# KiCad board rabbit_mask_video_edit.kicad_pcb (continued)
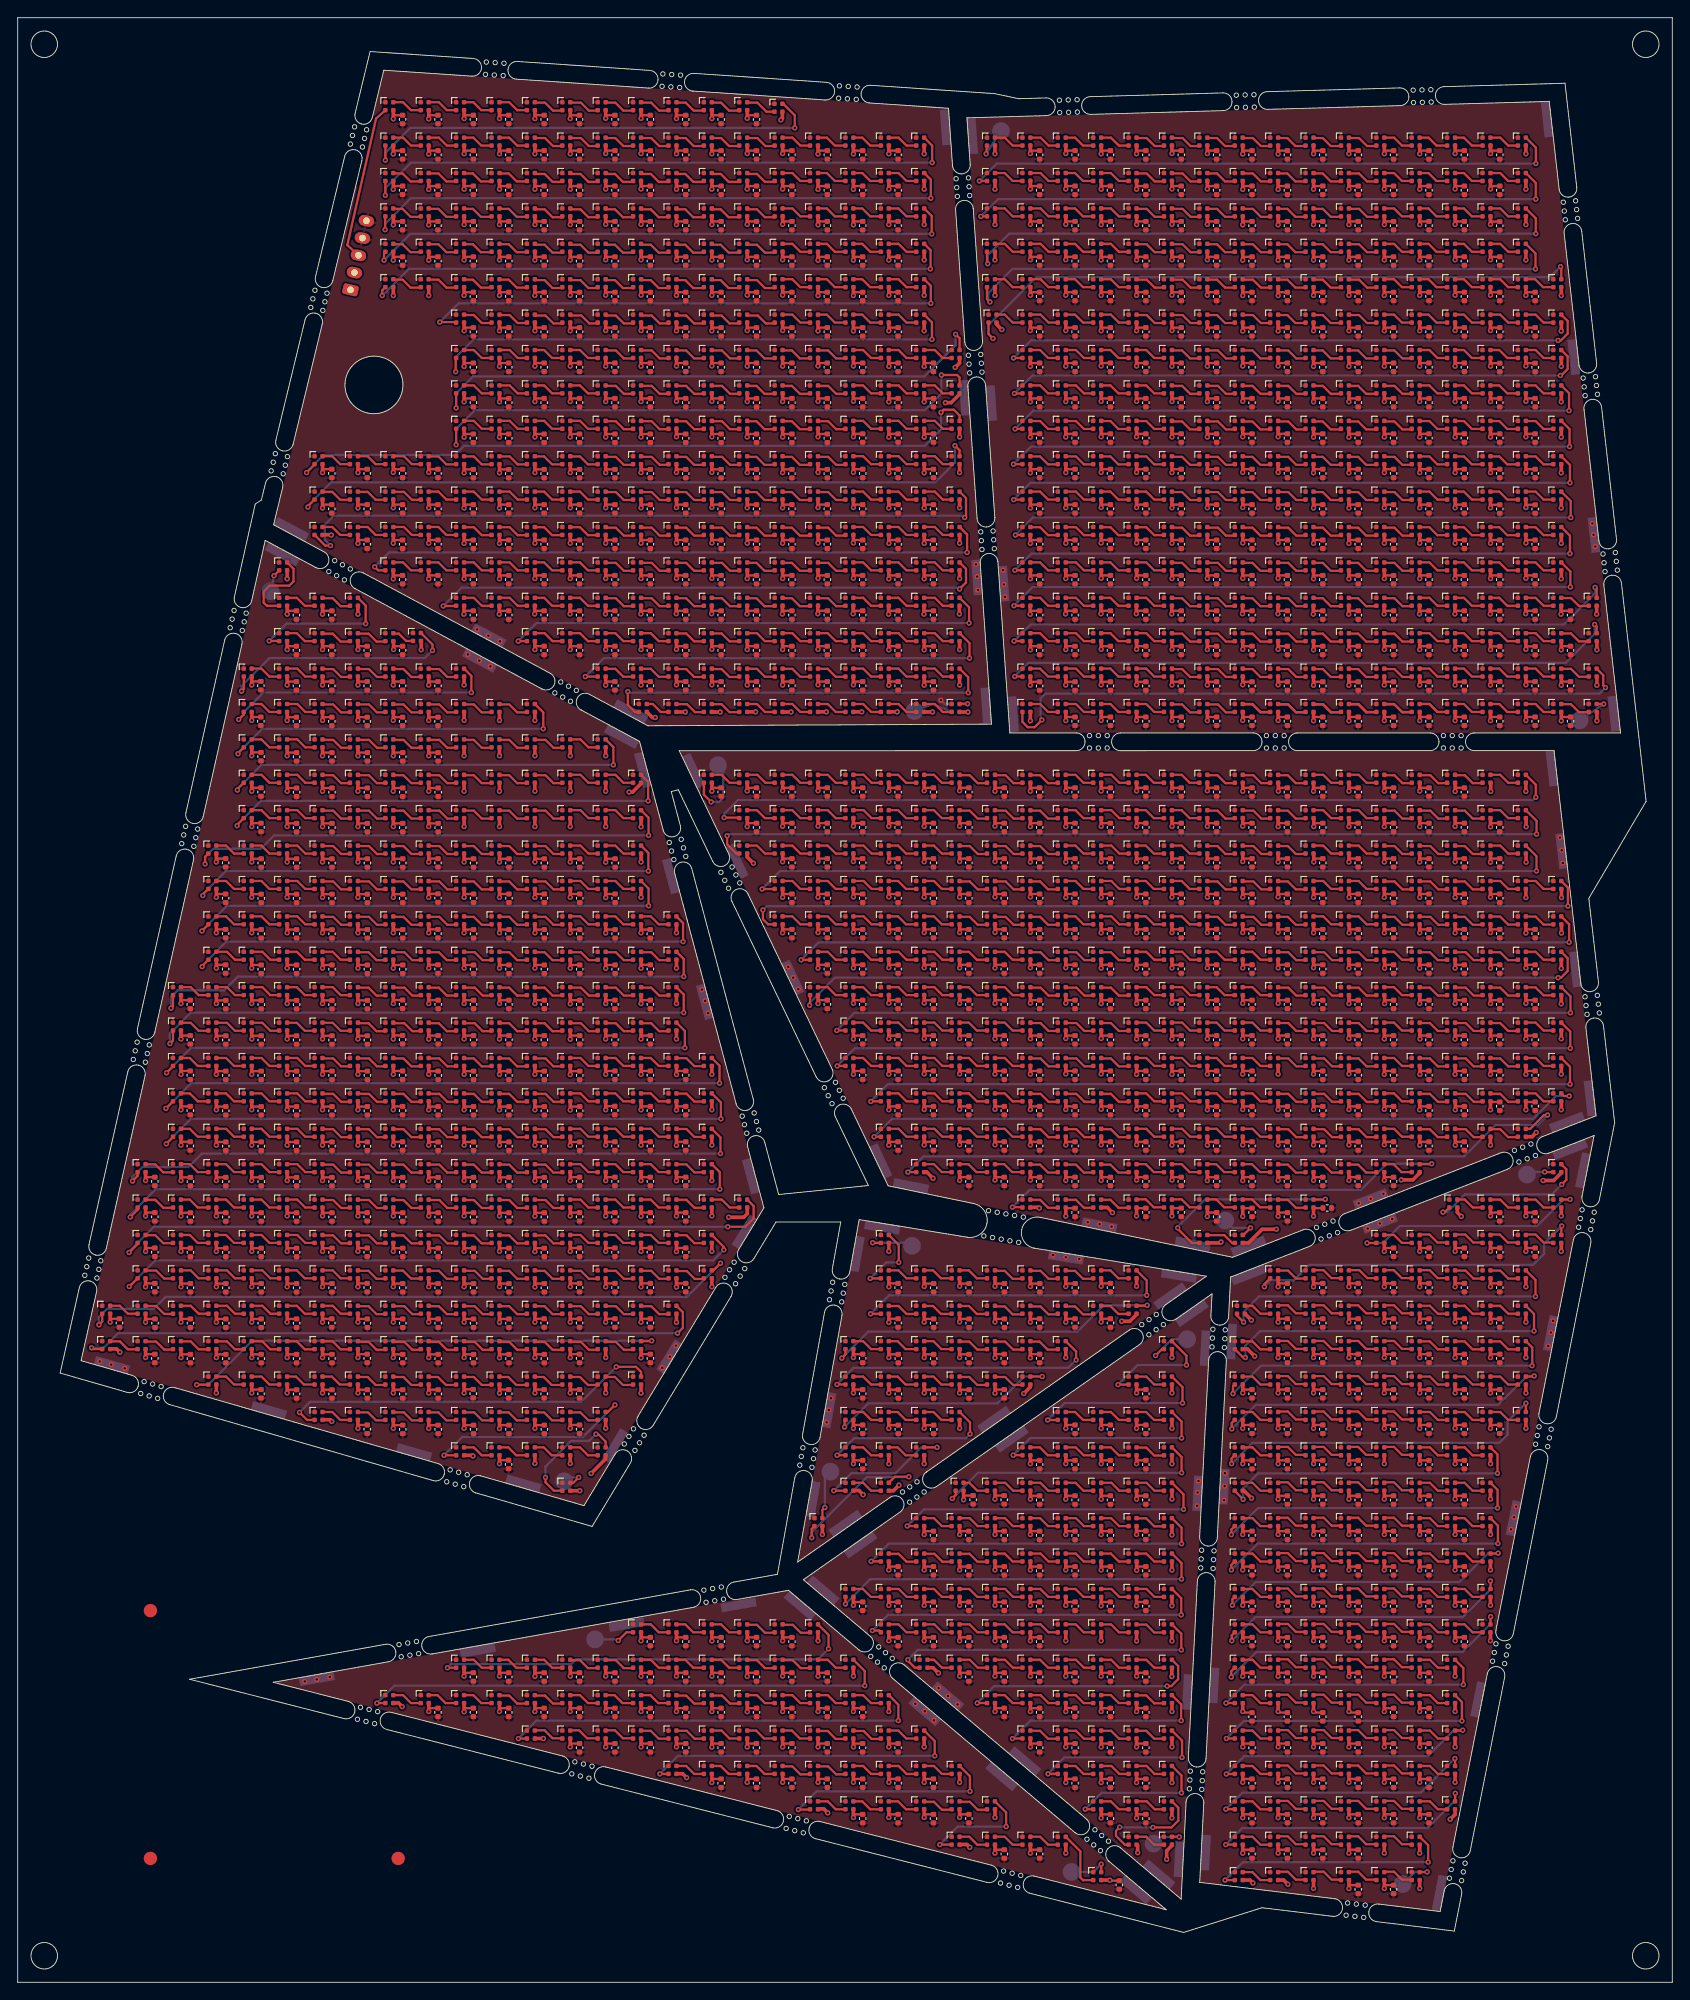
[diagram p0: board, top side]
## Placement (name value [footprint] x y rotation side) (continued)
D406  SK6812-1515  [LED_SK6812_EC15_1.5x1.5mm]  170 164 0 top
D407  SK6812-1515  [LED_SK6812_EC15_1.5x1.5mm]  174 164 0 top
D408  SK6812-1515  [LED_SK6812_EC15_1.5x1.5mm]  30 160 0 top
D409  SK6812-1515  [LED_SK6812_EC15_1.5x1.5mm]  42 160 0 top
D410  SK6812-1515  [LED_SK6812_EC15_1.5x1.5mm]  46 160 0 top
D411  SK6812-1515  [LED_SK6812_EC15_1.5x1.5mm]  50 160 0 top
D412  SK6812-1515  [LED_SK6812_EC15_1.5x1.5mm]  54 160 0 top
D413  SK6812-1515  [LED_SK6812_EC15_1.5x1.5mm]  58 160 0 top
D414  SK6812-1515  [LED_SK6812_EC15_1.5x1.5mm]  62 160 0 top
D415  SK6812-1515  [LED_SK6812_EC15_1.5x1.5mm]  66 160 0 top
D416  SK6812-1515  [LED_SK6812_EC15_1.5x1.5mm]  70 160 0 top
D417  SK6812-1515  [LED_SK6812_EC15_1.5x1.5mm]  74 160 0 top
D418  SK6812-1515  [LED_SK6812_EC15_1.5x1.5mm]  78 160 0 top
D419  SK6812-1515  [LED_SK6812_EC15_1.5x1.5mm]  82 160 0 top
D420  SK6812-1515  [LED_SK6812_EC15_1.5x1.5mm]  86 160 0 top
D421  SK6812-1515  [LED_SK6812_EC15_1.5x1.5mm]  90 160 0 top
D422  SK6812-1515  [LED_SK6812_EC15_1.5x1.5mm]  94 160 0 top
D423  SK6812-1515  [LED_SK6812_EC15_1.5x1.5mm]  98 160 0 top
D424  SK6812-1515  [LED_SK6812_EC15_1.5x1.5mm]  102 160 0 top
D425  SK6812-1515  [LED_SK6812_EC15_1.5x1.5mm]  106 160 0 top
D426  SK6812-1515  [LED_SK6812_EC15_1.5x1.5mm]  114 160 0 top
D427  SK6812-1515  [LED_SK6812_EC15_1.5x1.5mm]  118 160 0 top
D428  SK6812-1515  [LED_SK6812_EC15_1.5x1.5mm]  122 160 0 top
D429  SK6812-1515  [LED_SK6812_EC15_1.5x1.5mm]  126 160 0 top
D430  SK6812-1515  [LED_SK6812_EC15_1.5x1.5mm]  130 160 0 top
D431  SK6812-1515  [LED_SK6812_EC15_1.5x1.5mm]  134 160 0 top
D432  SK6812-1515  [LED_SK6812_EC15_1.5x1.5mm]  138 160 0 top
D433  SK6812-1515  [LED_SK6812_EC15_1.5x1.5mm]  142 160 0 top
D434  SK6812-1515  [LED_SK6812_EC15_1.5x1.5mm]  146 160 0 top
D435  SK6812-1515  [LED_SK6812_EC15_1.5x1.5mm]  150 160 0 top
D436  SK6812-1515  [LED_SK6812_EC15_1.5x1.5mm]  154 160 0 top
D437  SK6812-1515  [LED_SK6812_EC15_1.5x1.5mm]  158 160 0 top
D438  SK6812-1515  [LED_SK6812_EC15_1.5x1.5mm]  162 160 0 top
D439  SK6812-1515  [LED_SK6812_EC15_1.5x1.5mm]  166 160 0 top
D440  SK6812-1515  [LED_SK6812_EC15_1.5x1.5mm]  170 160 0 top
D441  SK6812-1515  [LED_SK6812_EC15_1.5x1.5mm]  174 160 0 top
D442  SK6812-1515  [LED_SK6812_EC15_1.5x1.5mm]  30 156 0 top
D443  SK6812-1515  [LED_SK6812_EC15_1.5x1.5mm]  34 156 0 top
D444  SK6812-1515  [LED_SK6812_EC15_1.5x1.5mm]  38 156 0 top
D445  SK6812-1515  [LED_SK6812_EC15_1.5x1.5mm]  50 156 0 top
D446  SK6812-1515  [LED_SK6812_EC15_1.5x1.5mm]  54 156 0 top
D447  SK6812-1515  [LED_SK6812_EC15_1.5x1.5mm]  58 156 0 top
D448  SK6812-1515  [LED_SK6812_EC15_1.5x1.5mm]  62 156 0 top
D449  SK6812-1515  [LED_SK6812_EC15_1.5x1.5mm]  66 156 0 top
D450  SK6812-1515  [LED_SK6812_EC15_1.5x1.5mm]  70 156 0 top
D451  SK6812-1515  [LED_SK6812_EC15_1.5x1.5mm]  74 156 0 top
D452  SK6812-1515  [LED_SK6812_EC15_1.5x1.5mm]  78 156 0 top
D453  SK6812-1515  [LED_SK6812_EC15_1.5x1.5mm]  82 156 0 top
D454  SK6812-1515  [LED_SK6812_EC15_1.5x1.5mm]  86 156 0 top
D455  SK6812-1515  [LED_SK6812_EC15_1.5x1.5mm]  90 156 0 top
D456  SK6812-1515  [LED_SK6812_EC15_1.5x1.5mm]  94 156 0 top
D457  SK6812-1515  [LED_SK6812_EC15_1.5x1.5mm]  98 156 0 top
D458  SK6812-1515  [LED_SK6812_EC15_1.5x1.5mm]  102 156 0 top
D459  SK6812-1515  [LED_SK6812_EC15_1.5x1.5mm]  106 156 0 top
D460  SK6812-1515  [LED_SK6812_EC15_1.5x1.5mm]  114 156 0 top
D461  SK6812-1515  [LED_SK6812_EC15_1.5x1.5mm]  118 156 0 top
D462  SK6812-1515  [LED_SK6812_EC15_1.5x1.5mm]  122 156 0 top
D463  SK6812-1515  [LED_SK6812_EC15_1.5x1.5mm]  126 156 0 top
D464  SK6812-1515  [LED_SK6812_EC15_1.5x1.5mm]  130 156 0 top
D465  SK6812-1515  [LED_SK6812_EC15_1.5x1.5mm]  134 156 0 top
D466  SK6812-1515  [LED_SK6812_EC15_1.5x1.5mm]  138 156 0 top
D467  SK6812-1515  [LED_SK6812_EC15_1.5x1.5mm]  142 156 0 top
D468  SK6812-1515  [LED_SK6812_EC15_1.5x1.5mm]  146 156 0 top
D469  SK6812-1515  [LED_SK6812_EC15_1.5x1.5mm]  150 156 0 top
D470  SK6812-1515  [LED_SK6812_EC15_1.5x1.5mm]  154 156 0 top
D471  SK6812-1515  [LED_SK6812_EC15_1.5x1.5mm]  158 156 0 top
D472  SK6812-1515  [LED_SK6812_EC15_1.5x1.5mm]  162 156 0 top
D473  SK6812-1515  [LED_SK6812_EC15_1.5x1.5mm]  166 156 0 top
D474  SK6812-1515  [LED_SK6812_EC15_1.5x1.5mm]  170 156 0 top
D475  SK6812-1515  [LED_SK6812_EC15_1.5x1.5mm]  174 156 0 top
D476  SK6812-1515  [LED_SK6812_EC15_1.5x1.5mm]  178 156 0 top
D477  SK6812-1515  [LED_SK6812_EC15_1.5x1.5mm]  30 152 0 top
D478  SK6812-1515  [LED_SK6812_EC15_1.5x1.5mm]  34 152 0 top
D479  SK6812-1515  [LED_SK6812_EC15_1.5x1.5mm]  38 152 0 top
D480  SK6812-1515  [LED_SK6812_EC15_1.5x1.5mm]  42 152 0 top
D481  SK6812-1515  [LED_SK6812_EC15_1.5x1.5mm]  45.12 152.03 0 top
D482  SK6812-1515  [LED_SK6812_EC15_1.5x1.5mm]  58 152 0 top
D483  SK6812-1515  [LED_SK6812_EC15_1.5x1.5mm]  62 152 0 top
D484  SK6812-1515  [LED_SK6812_EC15_1.5x1.5mm]  66 152 0 top
D485  SK6812-1515  [LED_SK6812_EC15_1.5x1.5mm]  70 152 0 top
D486  SK6812-1515  [LED_SK6812_EC15_1.5x1.5mm]  74 152 0 top
D487  SK6812-1515  [LED_SK6812_EC15_1.5x1.5mm]  78 152 0 top
D488  SK6812-1515  [LED_SK6812_EC15_1.5x1.5mm]  82 152 0 top
D489  SK6812-1515  [LED_SK6812_EC15_1.5x1.5mm]  86 152 0 top
D490  SK6812-1515  [LED_SK6812_EC15_1.5x1.5mm]  90 152 0 top
D491  SK6812-1515  [LED_SK6812_EC15_1.5x1.5mm]  94 152 0 top
D492  SK6812-1515  [LED_SK6812_EC15_1.5x1.5mm]  98 152 0 top
D493  SK6812-1515  [LED_SK6812_EC15_1.5x1.5mm]  102 152 0 top
D494  SK6812-1515  [LED_SK6812_EC15_1.5x1.5mm]  106 152 0 top
D495  SK6812-1515  [LED_SK6812_EC15_1.5x1.5mm]  114 152 0 top
D496  SK6812-1515  [LED_SK6812_EC15_1.5x1.5mm]  118 152 0 top
D497  SK6812-1515  [LED_SK6812_EC15_1.5x1.5mm]  122 152 0 top
D498  SK6812-1515  [LED_SK6812_EC15_1.5x1.5mm]  126 152 0 top
D499  SK6812-1515  [LED_SK6812_EC15_1.5x1.5mm]  130 152 0 top
D500  SK6812-1515  [LED_SK6812_EC15_1.5x1.5mm]  134 152 0 top
D501  SK6812-1515  [LED_SK6812_EC15_1.5x1.5mm]  138 152 0 top
D502  SK6812-1515  [LED_SK6812_EC15_1.5x1.5mm]  142 152 0 top
D503  SK6812-1515  [LED_SK6812_EC15_1.5x1.5mm]  146 152 0 top
D504  SK6812-1515  [LED_SK6812_EC15_1.5x1.5mm]  150 152 0 top
D505  SK6812-1515  [LED_SK6812_EC15_1.5x1.5mm]  154 152 0 top
D506  SK6812-1515  [LED_SK6812_EC15_1.5x1.5mm]  158 152 0 top
D507  SK6812-1515  [LED_SK6812_EC15_1.5x1.5mm]  162 152 0 top
D508  SK6812-1515  [LED_SK6812_EC15_1.5x1.5mm]  166 152 0 top
D509  SK6812-1515  [LED_SK6812_EC15_1.5x1.5mm]  170 152 0 top
D510  SK6812-1515  [LED_SK6812_EC15_1.5x1.5mm]  174 152 0 top
D511  SK6812-1515  [LED_SK6812_EC15_1.5x1.5mm]  178 152 0 top
D512  SK6812-1515  [LED_SK6812_EC15_1.5x1.5mm]  26 148 0 top
D513  SK6812-1515  [LED_SK6812_EC15_1.5x1.5mm]  30 148 0 top
D514  SK6812-1515  [LED_SK6812_EC15_1.5x1.5mm]  34 148 0 top
D515  SK6812-1515  [LED_SK6812_EC15_1.5x1.5mm]  38 148 0 top
D516  SK6812-1515  [LED_SK6812_EC15_1.5x1.5mm]  42 148 0 top
D517  SK6812-1515  [LED_SK6812_EC15_1.5x1.5mm]  46 148 0 top
D518  SK6812-1515  [LED_SK6812_EC15_1.5x1.5mm]  50 148 0 top
D519  SK6812-1515  [LED_SK6812_EC15_1.5x1.5mm]  66 148 0 top
D520  SK6812-1515  [LED_SK6812_EC15_1.5x1.5mm]  70 148 0 top
D521  SK6812-1515  [LED_SK6812_EC15_1.5x1.5mm]  74 148 0 top
D522  SK6812-1515  [LED_SK6812_EC15_1.5x1.5mm]  78 148 0 top
D523  SK6812-1515  [LED_SK6812_EC15_1.5x1.5mm]  82 148 0 top
D524  SK6812-1515  [LED_SK6812_EC15_1.5x1.5mm]  86 148 0 top
D525  SK6812-1515  [LED_SK6812_EC15_1.5x1.5mm]  90 148 0 top
D526  SK6812-1515  [LED_SK6812_EC15_1.5x1.5mm]  94 148 0 top
D527  SK6812-1515  [LED_SK6812_EC15_1.5x1.5mm]  98 148 0 top
D528  SK6812-1515  [LED_SK6812_EC15_1.5x1.5mm]  102 148 0 top
D529  SK6812-1515  [LED_SK6812_EC15_1.5x1.5mm]  106 148 0 top
D530  SK6812-1515  [LED_SK6812_EC15_1.5x1.5mm]  114 148 0 top
D531  SK6812-1515  [LED_SK6812_EC15_1.5x1.5mm]  118 148 0 top
D532  SK6812-1515  [LED_SK6812_EC15_1.5x1.5mm]  122 148 0 top
D533  SK6812-1515  [LED_SK6812_EC15_1.5x1.5mm]  126 148 0 top
D534  SK6812-1515  [LED_SK6812_EC15_1.5x1.5mm]  130 148 0 top
D535  SK6812-1515  [LED_SK6812_EC15_1.5x1.5mm]  134 148 0 top
D536  SK6812-1515  [LED_SK6812_EC15_1.5x1.5mm]  138 148 0 top
D537  SK6812-1515  [LED_SK6812_EC15_1.5x1.5mm]  142 148 0 top
D538  SK6812-1515  [LED_SK6812_EC15_1.5x1.5mm]  146 148 0 top
D539  SK6812-1515  [LED_SK6812_EC15_1.5x1.5mm]  150 148 0 top
D540  SK6812-1515  [LED_SK6812_EC15_1.5x1.5mm]  154 148 0 top
D541  SK6812-1515  [LED_SK6812_EC15_1.5x1.5mm]  158 148 0 top
D542  SK6812-1515  [LED_SK6812_EC15_1.5x1.5mm]  162 148 0 top
D543  SK6812-1515  [LED_SK6812_EC15_1.5x1.5mm]  166 148 0 top
D544  SK6812-1515  [LED_SK6812_EC15_1.5x1.5mm]  170 148 0 top
D545  SK6812-1515  [LED_SK6812_EC15_1.5x1.5mm]  174 148 0 top
D546  SK6812-1515  [LED_SK6812_EC15_1.5x1.5mm]  178 148 0 top
D547  SK6812-1515  [LED_SK6812_EC15_1.5x1.5mm]  26 144 0 top
D548  SK6812-1515  [LED_SK6812_EC15_1.5x1.5mm]  30 144 0 top
D549  SK6812-1515  [LED_SK6812_EC15_1.5x1.5mm]  34 144 0 top
D550  SK6812-1515  [LED_SK6812_EC15_1.5x1.5mm]  38 144 0 top
D551  SK6812-1515  [LED_SK6812_EC15_1.5x1.5mm]  42 144 0 top
D552  SK6812-1515  [LED_SK6812_EC15_1.5x1.5mm]  46 144 0 top
D553  SK6812-1515  [LED_SK6812_EC15_1.5x1.5mm]  50 144 0 top
D554  SK6812-1515  [LED_SK6812_EC15_1.5x1.5mm]  54 144 0 top
D555  SK6812-1515  [LED_SK6812_EC15_1.5x1.5mm]  58 144 0 top
D556  SK6812-1515  [LED_SK6812_EC15_1.5x1.5mm]  70.65 144 0 top
D557  SK6812-1515  [LED_SK6812_EC15_1.5x1.5mm]  74 144 0 top
D558  SK6812-1515  [LED_SK6812_EC15_1.5x1.5mm]  78 144 0 top
D559  SK6812-1515  [LED_SK6812_EC15_1.5x1.5mm]  82 144 0 top
D560  SK6812-1515  [LED_SK6812_EC15_1.5x1.5mm]  86 144 0 top
D561  SK6812-1515  [LED_SK6812_EC15_1.5x1.5mm]  90 144 0 top
D562  SK6812-1515  [LED_SK6812_EC15_1.5x1.5mm]  94 144 0 top
D563  SK6812-1515  [LED_SK6812_EC15_1.5x1.5mm]  98 144 0 top
D564  SK6812-1515  [LED_SK6812_EC15_1.5x1.5mm]  102 144 0 top
D565  SK6812-1515  [LED_SK6812_EC15_1.5x1.5mm]  106 144 0 top
D566  SK6812-1515  [LED_SK6812_EC15_1.5x1.5mm]  114 144 0 top
D567  SK6812-1515  [LED_SK6812_EC15_1.5x1.5mm]  118 144 0 top
D568  SK6812-1515  [LED_SK6812_EC15_1.5x1.5mm]  122 144 0 top
D569  SK6812-1515  [LED_SK6812_EC15_1.5x1.5mm]  126 144 0 top
D570  SK6812-1515  [LED_SK6812_EC15_1.5x1.5mm]  130 144 0 top
D571  SK6812-1515  [LED_SK6812_EC15_1.5x1.5mm]  134 144 0 top
D572  SK6812-1515  [LED_SK6812_EC15_1.5x1.5mm]  138 144 0 top
D573  SK6812-1515  [LED_SK6812_EC15_1.5x1.5mm]  142 144 0 top
D574  SK6812-1515  [LED_SK6812_EC15_1.5x1.5mm]  146 144 0 top
D575  SK6812-1515  [LED_SK6812_EC15_1.5x1.5mm]  150 144 0 top
D576  SK6812-1515  [LED_SK6812_EC15_1.5x1.5mm]  154 144 0 top
D577  SK6812-1515  [LED_SK6812_EC15_1.5x1.5mm]  158 144 0 top
D578  SK6812-1515  [LED_SK6812_EC15_1.5x1.5mm]  162 144 0 top
D579  SK6812-1515  [LED_SK6812_EC15_1.5x1.5mm]  166 144 0 top
D580  SK6812-1515  [LED_SK6812_EC15_1.5x1.5mm]  170 144 0 top
D581  SK6812-1515  [LED_SK6812_EC15_1.5x1.5mm]  174 144 0 top
D582  SK6812-1515  [LED_SK6812_EC15_1.5x1.5mm]  178 144 0 top
D583  SK6812-1515  [LED_SK6812_EC15_1.5x1.5mm]  26 140 0 top
D584  SK6812-1515  [LED_SK6812_EC15_1.5x1.5mm]  30 140 0 top
D585  SK6812-1515  [LED_SK6812_EC15_1.5x1.5mm]  34 140 0 top
D586  SK6812-1515  [LED_SK6812_EC15_1.5x1.5mm]  38 140 0 top
D587  SK6812-1515  [LED_SK6812_EC15_1.5x1.5mm]  42 140 0 top
D588  SK6812-1515  [LED_SK6812_EC15_1.5x1.5mm]  46 140 0 top
D589  SK6812-1515  [LED_SK6812_EC15_1.5x1.5mm]  50 140 0 top
D590  SK6812-1515  [LED_SK6812_EC15_1.5x1.5mm]  54 140 0 top
D591  SK6812-1515  [LED_SK6812_EC15_1.5x1.5mm]  58 140 0 top
D592  SK6812-1515  [LED_SK6812_EC15_1.5x1.5mm]  62 140 0 top
D593  SK6812-1515  [LED_SK6812_EC15_1.5x1.5mm]  66 140 0 top
D594  SK6812-1515  [LED_SK6812_EC15_1.5x1.5mm]  26 136 0 top
D595  SK6812-1515  [LED_SK6812_EC15_1.5x1.5mm]  30 136 0 top
D596  SK6812-1515  [LED_SK6812_EC15_1.5x1.5mm]  34 136 0 top
D597  SK6812-1515  [LED_SK6812_EC15_1.5x1.5mm]  38 136 0 top
D598  SK6812-1515  [LED_SK6812_EC15_1.5x1.5mm]  42 136 0 top
D599  SK6812-1515  [LED_SK6812_EC15_1.5x1.5mm]  46 136 0 top
D600  SK6812-1515  [LED_SK6812_EC15_1.5x1.5mm]  50 136 0 top
D601  SK6812-1515  [LED_SK6812_EC15_1.5x1.5mm]  54 136 0 top
D602  SK6812-1515  [LED_SK6812_EC15_1.5x1.5mm]  58 136 0 top
D603  SK6812-1515  [LED_SK6812_EC15_1.5x1.5mm]  62 136 0 top
D604  SK6812-1515  [LED_SK6812_EC15_1.5x1.5mm]  66 136 0 top
D605  SK6812-1515  [LED_SK6812_EC15_1.5x1.5mm]  70 136 0 top
D606  SK6812-1515  [LED_SK6812_EC15_1.5x1.5mm]  78 136 0 top
D607  SK6812-1515  [LED_SK6812_EC15_1.5x1.5mm]  82 136 0 top
D608  SK6812-1515  [LED_SK6812_EC15_1.5x1.5mm]  86 136 0 top
D609  SK6812-1515  [LED_SK6812_EC15_1.5x1.5mm]  90 136 0 top
D610  SK6812-1515  [LED_SK6812_EC15_1.5x1.5mm]  94 136 0 top
D611  SK6812-1515  [LED_SK6812_EC15_1.5x1.5mm]  98 136 0 top
D612  SK6812-1515  [LED_SK6812_EC15_1.5x1.5mm]  102 136 0 top
D613  SK6812-1515  [LED_SK6812_EC15_1.5x1.5mm]  106 136 0 top
D614  SK6812-1515  [LED_SK6812_EC15_1.5x1.5mm]  110 136 0 top
D615  SK6812-1515  [LED_SK6812_EC15_1.5x1.5mm]  114 136 0 top
D616  SK6812-1515  [LED_SK6812_EC15_1.5x1.5mm]  118 136 0 top
D617  SK6812-1515  [LED_SK6812_EC15_1.5x1.5mm]  122 136 0 top
D618  SK6812-1515  [LED_SK6812_EC15_1.5x1.5mm]  126 136 0 top
D619  SK6812-1515  [LED_SK6812_EC15_1.5x1.5mm]  130 136 0 top
D620  SK6812-1515  [LED_SK6812_EC15_1.5x1.5mm]  134 136 0 top
D621  SK6812-1515  [LED_SK6812_EC15_1.5x1.5mm]  138 136 0 top
D622  SK6812-1515  [LED_SK6812_EC15_1.5x1.5mm]  142 136 0 top
D623  SK6812-1515  [LED_SK6812_EC15_1.5x1.5mm]  146 136 0 top
D624  SK6812-1515  [LED_SK6812_EC15_1.5x1.5mm]  150 136 0 top
D625  SK6812-1515  [LED_SK6812_EC15_1.5x1.5mm]  154 136 0 top
D626  SK6812-1515  [LED_SK6812_EC15_1.5x1.5mm]  158 136 0 top
D627  SK6812-1515  [LED_SK6812_EC15_1.5x1.5mm]  162 136 0 top
D628  SK6812-1515  [LED_SK6812_EC15_1.5x1.5mm]  166 136 0 top
D629  SK6812-1515  [LED_SK6812_EC15_1.5x1.5mm]  170 136 0 top
D630  SK6812-1515  [LED_SK6812_EC15_1.5x1.5mm]  26 132 0 top
D631  SK6812-1515  [LED_SK6812_EC15_1.5x1.5mm]  30 132 0 top
D632  SK6812-1515  [LED_SK6812_EC15_1.5x1.5mm]  34 132 0 top
D633  SK6812-1515  [LED_SK6812_EC15_1.5x1.5mm]  38 132 0 top
D634  SK6812-1515  [LED_SK6812_EC15_1.5x1.5mm]  42 132 0 top
D635  SK6812-1515  [LED_SK6812_EC15_1.5x1.5mm]  46 132 0 top
D636  SK6812-1515  [LED_SK6812_EC15_1.5x1.5mm]  50 132 0 top
D637  SK6812-1515  [LED_SK6812_EC15_1.5x1.5mm]  54 132 0 top
D638  SK6812-1515  [LED_SK6812_EC15_1.5x1.5mm]  58 132 0 top
D639  SK6812-1515  [LED_SK6812_EC15_1.5x1.5mm]  62 132 0 top
D640  SK6812-1515  [LED_SK6812_EC15_1.5x1.5mm]  66 132 0 top
D641  SK6812-1515  [LED_SK6812_EC15_1.5x1.5mm]  70 132 0 top
D642  SK6812-1515  [LED_SK6812_EC15_1.5x1.5mm]  82 132 0 top
D643  SK6812-1515  [LED_SK6812_EC15_1.5x1.5mm]  86 132 0 top
D644  SK6812-1515  [LED_SK6812_EC15_1.5x1.5mm]  90 132 0 top
D645  SK6812-1515  [LED_SK6812_EC15_1.5x1.5mm]  94 132 0 top
D646  SK6812-1515  [LED_SK6812_EC15_1.5x1.5mm]  98 132 0 top
D647  SK6812-1515  [LED_SK6812_EC15_1.5x1.5mm]  102 132 0 top
D648  SK6812-1515  [LED_SK6812_EC15_1.5x1.5mm]  106 132 0 top
D649  SK6812-1515  [LED_SK6812_EC15_1.5x1.5mm]  110 132 0 top
D650  SK6812-1515  [LED_SK6812_EC15_1.5x1.5mm]  114 132 0 top
D651  SK6812-1515  [LED_SK6812_EC15_1.5x1.5mm]  118 132 0 top
D652  SK6812-1515  [LED_SK6812_EC15_1.5x1.5mm]  122 132 0 top
D653  SK6812-1515  [LED_SK6812_EC15_1.5x1.5mm]  126 132 0 top
D654  SK6812-1515  [LED_SK6812_EC15_1.5x1.5mm]  130 132 0 top
D655  SK6812-1515  [LED_SK6812_EC15_1.5x1.5mm]  134 132 0 top
D656  SK6812-1515  [LED_SK6812_EC15_1.5x1.5mm]  138 132 0 top
D657  SK6812-1515  [LED_SK6812_EC15_1.5x1.5mm]  142 132 0 top
D658  SK6812-1515  [LED_SK6812_EC15_1.5x1.5mm]  146 132 0 top
D659  SK6812-1515  [LED_SK6812_EC15_1.5x1.5mm]  150 132 0 top
D660  SK6812-1515  [LED_SK6812_EC15_1.5x1.5mm]  154 132 0 top
D661  SK6812-1515  [LED_SK6812_EC15_1.5x1.5mm]  158 132 0 top
D662  SK6812-1515  [LED_SK6812_EC15_1.5x1.5mm]  162 132 0 top
D663  SK6812-1515  [LED_SK6812_EC15_1.5x1.5mm]  166 132 0 top
D664  SK6812-1515  [LED_SK6812_EC15_1.5x1.5mm]  170 132 0 top
D665  SK6812-1515  [LED_SK6812_EC15_1.5x1.5mm]  22 128 0 top
D666  SK6812-1515  [LED_SK6812_EC15_1.5x1.5mm]  26 128 0 top
D667  SK6812-1515  [LED_SK6812_EC15_1.5x1.5mm]  30 128 0 top
D668  SK6812-1515  [LED_SK6812_EC15_1.5x1.5mm]  34 128 0 top
D669  SK6812-1515  [LED_SK6812_EC15_1.5x1.5mm]  38 128 0 top
D670  SK6812-1515  [LED_SK6812_EC15_1.5x1.5mm]  42 128 0 top
D671  SK6812-1515  [LED_SK6812_EC15_1.5x1.5mm]  46 128 0 top
D672  SK6812-1515  [LED_SK6812_EC15_1.5x1.5mm]  50 128 0 top
D673  SK6812-1515  [LED_SK6812_EC15_1.5x1.5mm]  54 128 0 top
D674  SK6812-1515  [LED_SK6812_EC15_1.5x1.5mm]  58 128 0 top
D675  SK6812-1515  [LED_SK6812_EC15_1.5x1.5mm]  62 128 0 top
D676  SK6812-1515  [LED_SK6812_EC15_1.5x1.5mm]  66 128 0 top
D677  SK6812-1515  [LED_SK6812_EC15_1.5x1.5mm]  70 128 0 top
D678  SK6812-1515  [LED_SK6812_EC15_1.5x1.5mm]  82 128 0 top
D679  SK6812-1515  [LED_SK6812_EC15_1.5x1.5mm]  86 128 0 top
D680  SK6812-1515  [LED_SK6812_EC15_1.5x1.5mm]  90 128 0 top
D681  SK6812-1515  [LED_SK6812_EC15_1.5x1.5mm]  94 128 0 top
D682  SK6812-1515  [LED_SK6812_EC15_1.5x1.5mm]  98 128 0 top
D683  SK6812-1515  [LED_SK6812_EC15_1.5x1.5mm]  102 128 0 top
D684  SK6812-1515  [LED_SK6812_EC15_1.5x1.5mm]  106 128 0 top
D685  SK6812-1515  [LED_SK6812_EC15_1.5x1.5mm]  110 128 0 top
D686  SK6812-1515  [LED_SK6812_EC15_1.5x1.5mm]  114 128 0 top
D687  SK6812-1515  [LED_SK6812_EC15_1.5x1.5mm]  118 128 0 top
D688  SK6812-1515  [LED_SK6812_EC15_1.5x1.5mm]  122 128 0 top
D689  SK6812-1515  [LED_SK6812_EC15_1.5x1.5mm]  126 128 0 top
D690  SK6812-1515  [LED_SK6812_EC15_1.5x1.5mm]  130 128 0 top
D691  SK6812-1515  [LED_SK6812_EC15_1.5x1.5mm]  134 128 0 top
D692  SK6812-1515  [LED_SK6812_EC15_1.5x1.5mm]  138 128 0 top
D693  SK6812-1515  [LED_SK6812_EC15_1.5x1.5mm]  142 128 0 top
D694  SK6812-1515  [LED_SK6812_EC15_1.5x1.5mm]  146 128 0 top
D695  SK6812-1515  [LED_SK6812_EC15_1.5x1.5mm]  150 128 0 top
D696  SK6812-1515  [LED_SK6812_EC15_1.5x1.5mm]  154 128 0 top
D697  SK6812-1515  [LED_SK6812_EC15_1.5x1.5mm]  158 128 0 top
D698  SK6812-1515  [LED_SK6812_EC15_1.5x1.5mm]  162 128 0 top
D699  SK6812-1515  [LED_SK6812_EC15_1.5x1.5mm]  166 128 0 top
D700  SK6812-1515  [LED_SK6812_EC15_1.5x1.5mm]  170 128 0 top
D701  SK6812-1515  [LED_SK6812_EC15_1.5x1.5mm]  22 124 0 top
D702  SK6812-1515  [LED_SK6812_EC15_1.5x1.5mm]  26 124 0 top
D703  SK6812-1515  [LED_SK6812_EC15_1.5x1.5mm]  30 124 0 top
D704  SK6812-1515  [LED_SK6812_EC15_1.5x1.5mm]  34 124 0 top
D705  SK6812-1515  [LED_SK6812_EC15_1.5x1.5mm]  38 124 0 top
D706  SK6812-1515  [LED_SK6812_EC15_1.5x1.5mm]  42 124 0 top
D707  SK6812-1515  [LED_SK6812_EC15_1.5x1.5mm]  46 124 0 top
D708  SK6812-1515  [LED_SK6812_EC15_1.5x1.5mm]  50 124 0 top
D709  SK6812-1515  [LED_SK6812_EC15_1.5x1.5mm]  54 124 0 top
D710  SK6812-1515  [LED_SK6812_EC15_1.5x1.5mm]  58 124 0 top
D711  SK6812-1515  [LED_SK6812_EC15_1.5x1.5mm]  62 124 0 top
D712  SK6812-1515  [LED_SK6812_EC15_1.5x1.5mm]  66 124 0 top
D713  SK6812-1515  [LED_SK6812_EC15_1.5x1.5mm]  70 124 0 top
D714  SK6812-1515  [LED_SK6812_EC15_1.5x1.5mm]  86 124 0 top
D715  SK6812-1515  [LED_SK6812_EC15_1.5x1.5mm]  90 124 0 top
D716  SK6812-1515  [LED_SK6812_EC15_1.5x1.5mm]  94 124 0 top
D717  SK6812-1515  [LED_SK6812_EC15_1.5x1.5mm]  98 124 0 top
D718  SK6812-1515  [LED_SK6812_EC15_1.5x1.5mm]  102 124 0 top
D719  SK6812-1515  [LED_SK6812_EC15_1.5x1.5mm]  106 124 0 top
D720  SK6812-1515  [LED_SK6812_EC15_1.5x1.5mm]  110 124 0 top
D721  SK6812-1515  [LED_SK6812_EC15_1.5x1.5mm]  114 124 0 top
D722  SK6812-1515  [LED_SK6812_EC15_1.5x1.5mm]  118 124 0 top
D723  SK6812-1515  [LED_SK6812_EC15_1.5x1.5mm]  122 124 0 top
D724  SK6812-1515  [LED_SK6812_EC15_1.5x1.5mm]  126 124 0 top
D725  SK6812-1515  [LED_SK6812_EC15_1.5x1.5mm]  130 124 0 top
D726  SK6812-1515  [LED_SK6812_EC15_1.5x1.5mm]  134 124 0 top
D727  SK6812-1515  [LED_SK6812_EC15_1.5x1.5mm]  138 124 0 top
D728  SK6812-1515  [LED_SK6812_EC15_1.5x1.5mm]  142 124 0 top
D729  SK6812-1515  [LED_SK6812_EC15_1.5x1.5mm]  146 124 0 top
D730  SK6812-1515  [LED_SK6812_EC15_1.5x1.5mm]  150 124 0 top
D731  SK6812-1515  [LED_SK6812_EC15_1.5x1.5mm]  154 124 0 top
D732  SK6812-1515  [LED_SK6812_EC15_1.5x1.5mm]  158 124 0 top
D733  SK6812-1515  [LED_SK6812_EC15_1.5x1.5mm]  162 124 0 top
D734  SK6812-1515  [LED_SK6812_EC15_1.5x1.5mm]  166 124 0 top
D735  SK6812-1515  [LED_SK6812_EC15_1.5x1.5mm]  170 124 0 top
D736  SK6812-1515  [LED_SK6812_EC15_1.5x1.5mm]  174 124 0 top
D737  SK6812-1515  [LED_SK6812_EC15_1.5x1.5mm]  22 120 0 top
D738  SK6812-1515  [LED_SK6812_EC15_1.5x1.5mm]  26 120 0 top
D739  SK6812-1515  [LED_SK6812_EC15_1.5x1.5mm]  30 120 0 top
D740  SK6812-1515  [LED_SK6812_EC15_1.5x1.5mm]  34 120 0 top
D741  SK6812-1515  [LED_SK6812_EC15_1.5x1.5mm]  38 120 0 top
D742  SK6812-1515  [LED_SK6812_EC15_1.5x1.5mm]  42 120 0 top
D743  SK6812-1515  [LED_SK6812_EC15_1.5x1.5mm]  46 120 0 top
D744  SK6812-1515  [LED_SK6812_EC15_1.5x1.5mm]  50 120 0 top
D745  SK6812-1515  [LED_SK6812_EC15_1.5x1.5mm]  54 120 0 top
D746  SK6812-1515  [LED_SK6812_EC15_1.5x1.5mm]  58 120 0 top
D747  SK6812-1515  [LED_SK6812_EC15_1.5x1.5mm]  62 120 0 top
D748  SK6812-1515  [LED_SK6812_EC15_1.5x1.5mm]  66 120 0 top
D749  SK6812-1515  [LED_SK6812_EC15_1.5x1.5mm]  70 120 0 top
D750  SK6812-1515  [LED_SK6812_EC15_1.5x1.5mm]  74 120 0 top
D751  SK6812-1515  [LED_SK6812_EC15_1.5x1.5mm]  86 120 0 top
D752  SK6812-1515  [LED_SK6812_EC15_1.5x1.5mm]  90 120 0 top
D753  SK6812-1515  [LED_SK6812_EC15_1.5x1.5mm]  94 120 0 top
D754  SK6812-1515  [LED_SK6812_EC15_1.5x1.5mm]  98 120 0 top
D755  SK6812-1515  [LED_SK6812_EC15_1.5x1.5mm]  102 120 0 top
D756  SK6812-1515  [LED_SK6812_EC15_1.5x1.5mm]  106 120 0 top
D757  SK6812-1515  [LED_SK6812_EC15_1.5x1.5mm]  110 120 0 top
D758  SK6812-1515  [LED_SK6812_EC15_1.5x1.5mm]  114 120 0 top
D759  SK6812-1515  [LED_SK6812_EC15_1.5x1.5mm]  118 120 0 top
D760  SK6812-1515  [LED_SK6812_EC15_1.5x1.5mm]  122 120 0 top
D761  SK6812-1515  [LED_SK6812_EC15_1.5x1.5mm]  126 120 0 top
D762  SK6812-1515  [LED_SK6812_EC15_1.5x1.5mm]  130 120 0 top
D763  SK6812-1515  [LED_SK6812_EC15_1.5x1.5mm]  134 120 0 top
D764  SK6812-1515  [LED_SK6812_EC15_1.5x1.5mm]  138 120 0 top
D765  SK6812-1515  [LED_SK6812_EC15_1.5x1.5mm]  142 120 0 top
D766  SK6812-1515  [LED_SK6812_EC15_1.5x1.5mm]  146 120 0 top
D767  SK6812-1515  [LED_SK6812_EC15_1.5x1.5mm]  150 120 0 top
D768  SK6812-1515  [LED_SK6812_EC15_1.5x1.5mm]  154 120 0 top
D769  SK6812-1515  [LED_SK6812_EC15_1.5x1.5mm]  158 120 0 top
D770  SK6812-1515  [LED_SK6812_EC15_1.5x1.5mm]  162 120 0 top
D771  SK6812-1515  [LED_SK6812_EC15_1.5x1.5mm]  166 120 0 top
D772  SK6812-1515  [LED_SK6812_EC15_1.5x1.5mm]  170 120 0 top
D773  SK6812-1515  [LED_SK6812_EC15_1.5x1.5mm]  174 120 0 top
D774  SK6812-1515  [LED_SK6812_EC15_1.5x1.5mm]  22 116 0 top
D775  SK6812-1515  [LED_SK6812_EC15_1.5x1.5mm]  26 116 0 top
D776  SK6812-1515  [LED_SK6812_EC15_1.5x1.5mm]  30 116 0 top
D777  SK6812-1515  [LED_SK6812_EC15_1.5x1.5mm]  34 116 0 top
D778  SK6812-1515  [LED_SK6812_EC15_1.5x1.5mm]  38 116 0 top
D779  SK6812-1515  [LED_SK6812_EC15_1.5x1.5mm]  42 116 0 top
D780  SK6812-1515  [LED_SK6812_EC15_1.5x1.5mm]  46 116 0 top
D781  SK6812-1515  [LED_SK6812_EC15_1.5x1.5mm]  50 116 0 top
D782  SK6812-1515  [LED_SK6812_EC15_1.5x1.5mm]  54 116 0 top
D783  SK6812-1515  [LED_SK6812_EC15_1.5x1.5mm]  58 116 0 top
D784  SK6812-1515  [LED_SK6812_EC15_1.5x1.5mm]  62 116 0 top
D785  SK6812-1515  [LED_SK6812_EC15_1.5x1.5mm]  66 116 0 top
D786  SK6812-1515  [LED_SK6812_EC15_1.5x1.5mm]  70 116 0 top
D787  SK6812-1515  [LED_SK6812_EC15_1.5x1.5mm]  74 116 0 top
D788  SK6812-1515  [LED_SK6812_EC15_1.5x1.5mm]  90 116 0 top
D789  SK6812-1515  [LED_SK6812_EC15_1.5x1.5mm]  94 116 0 top
D790  SK6812-1515  [LED_SK6812_EC15_1.5x1.5mm]  98 116 0 top
D791  SK6812-1515  [LED_SK6812_EC15_1.5x1.5mm]  102 116 0 top
D792  SK6812-1515  [LED_SK6812_EC15_1.5x1.5mm]  106 116 0 top
D793  SK6812-1515  [LED_SK6812_EC15_1.5x1.5mm]  110 116 0 top
D794  SK6812-1515  [LED_SK6812_EC15_1.5x1.5mm]  114 116 0 top
D795  SK6812-1515  [LED_SK6812_EC15_1.5x1.5mm]  118 116 0 top
D796  SK6812-1515  [LED_SK6812_EC15_1.5x1.5mm]  122 116 0 top
D797  SK6812-1515  [LED_SK6812_EC15_1.5x1.5mm]  126 116 0 top
D798  SK6812-1515  [LED_SK6812_EC15_1.5x1.5mm]  130 116 0 top
D799  SK6812-1515  [LED_SK6812_EC15_1.5x1.5mm]  134 116 0 top
D800  SK6812-1515  [LED_SK6812_EC15_1.5x1.5mm]  138 116 0 top
D801  SK6812-1515  [LED_SK6812_EC15_1.5x1.5mm]  142 116 0 top
D802  SK6812-1515  [LED_SK6812_EC15_1.5x1.5mm]  146 116 0 top
D803  SK6812-1515  [LED_SK6812_EC15_1.5x1.5mm]  150 116 0 top
D804  SK6812-1515  [LED_SK6812_EC15_1.5x1.5mm]  154 116 0 top
D805  SK6812-1515  [LED_SK6812_EC15_1.5x1.5mm]  158 116 0 top
D806  SK6812-1515  [LED_SK6812_EC15_1.5x1.5mm]  162 116 0 top
D807  SK6812-1515  [LED_SK6812_EC15_1.5x1.5mm]  166 116 0 top
D808  SK6812-1515  [LED_SK6812_EC15_1.5x1.5mm]  170 116 0 top
D809  SK6812-1515  [LED_SK6812_EC15_1.5x1.5mm]  174 116 0 top